# Altium PCB SupplyBox_v4.PcbDoc (part 2 of 2) (continued)
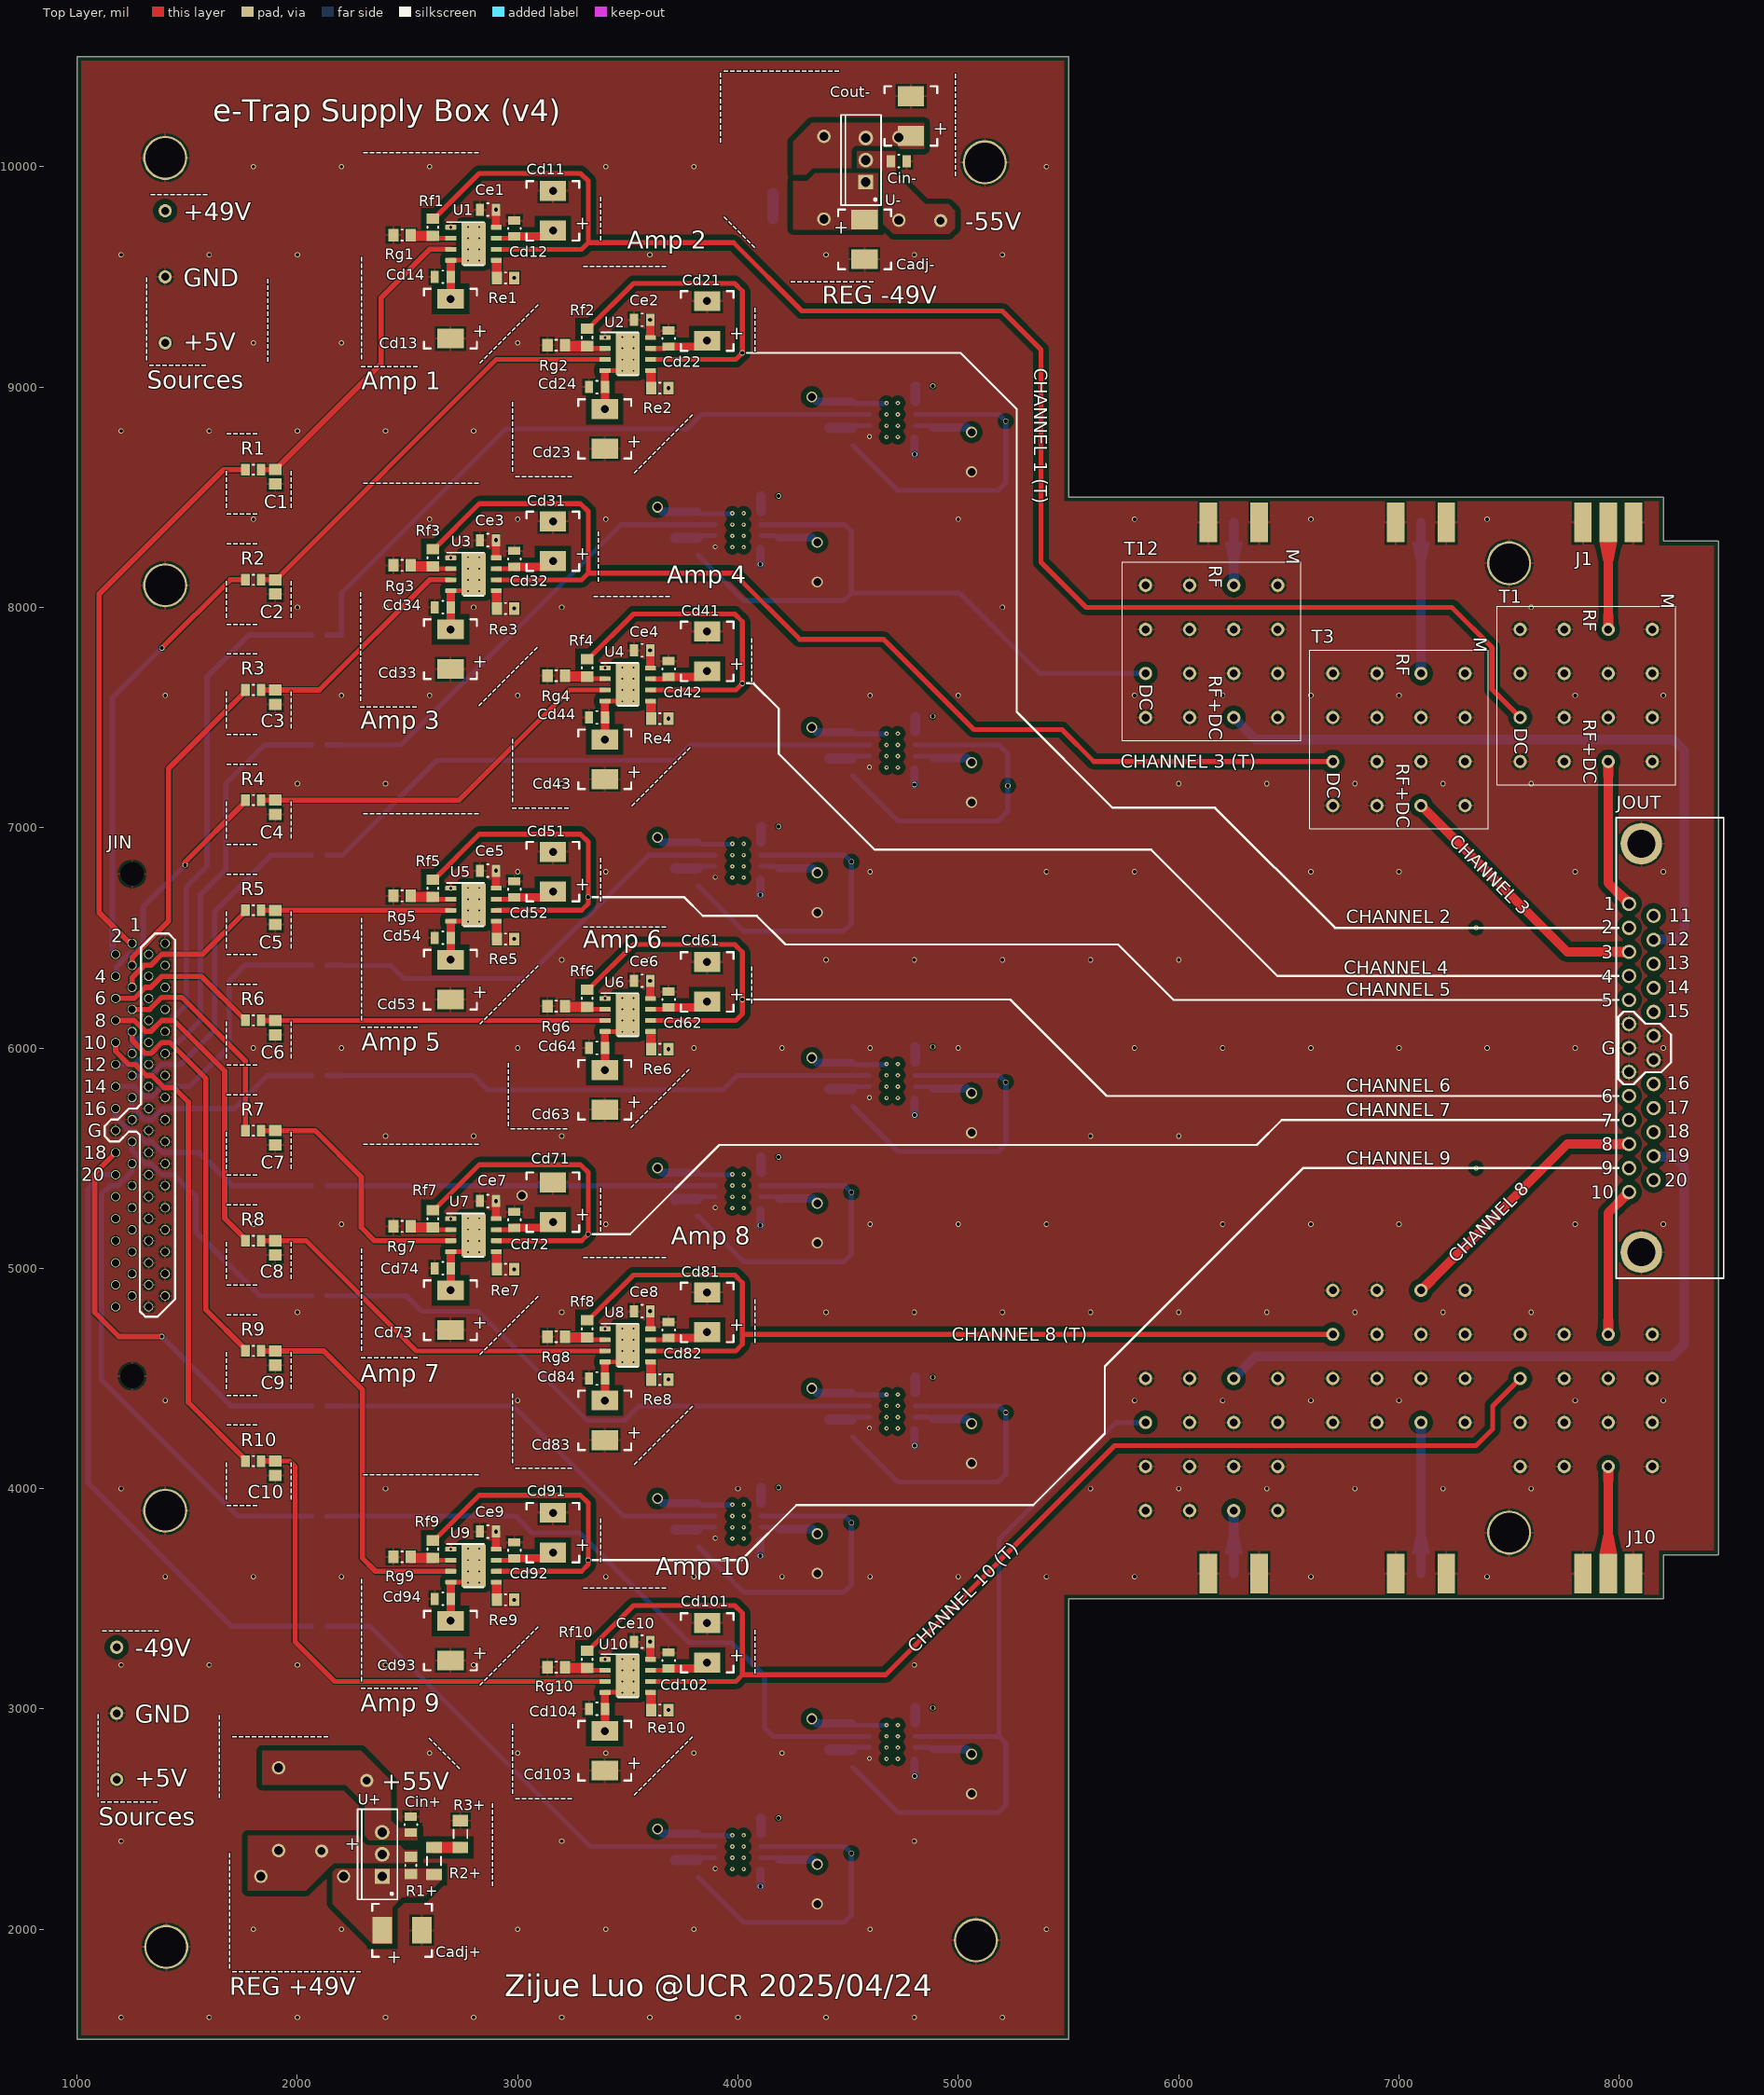
[diagram p0: Top Layer view]
## Nets (pads, with @x,y where several pads share a name; then routed paths per layer and width w, separated by ;. In a path a pad name is that pad's centre, name@x,y a point inside that pad or via, vN(x,y) a via of type N, cw(c..) or ccw(c..) an arc to the next point about the centre after c; other vN are vias at no path point) (continued)
  Top Layer w22: Rf1.1@2625.46,9675.17 U1.2@2696.48,9675.17
  Top Layer w47: Rg1.2@2514.49,9685.63 Rf1.1@2615,9685.63
NetRf2_1: Rf2.1 Rg2.2 U2.2 | length 171.5
  Top Layer w22: Rf2.1@3325.46,9175.17 U2.2@3396.48,9175.17
  Top Layer w47: Rg2.2@3214.49,9185.63 Rf2.1@3315,9185.63
NetRf3_1: Rf3.1 Rg3.2 U3.2 | length 171.5
  Top Layer w22: Rf3.1@2625.46,8175.17 U3.2@2696.48,8175.17
  Top Layer w47: Rg3.2@2514.49,8185.63 Rf3.1@2615,8185.63
NetRf4_1: Rf4.1 Rg4.2 U4.2 | length 171.5
  Top Layer w22: Rf4.1@3325.46,7675.17 U4.2@3396.48,7675.17
  Top Layer w47: Rg4.2@3214.49,7685.63 Rf4.1@3315,7685.63
NetRf5_1: Rf5.1 Rg5.2 U5.2 | length 191
  Top Layer w22: Rf5.1@2615,6685.63 2625.46,6675.17 2696.48,6675.17 U5.2@2696.65,6675
  Top Layer w47: Rg5.2@2514.37,6690 2514.37,6685.75 2514.49,6685.63 Rf5.1@2615,6685.63
NetRf6_1: Rf6.1 Rg6.2 U6.2 | length 171.5
  Top Layer w22: Rf6.1@3325.46,6175.17 U6.2@3396.48,6175.17
  Top Layer w47: Rg6.2@3214.49,6185.63 Rf6.1@3315,6185.63
NetRf7_1: Rf7.1 Rg7.2 U7.2 | length 171.5
  Top Layer w22: Rf7.1@2625.46,5175.17 U7.2@2696.48,5175.17
  Top Layer w47: Rg7.2@2514.49,5185.63 Rf7.1@2615,5185.63
NetRf8_1: Rf8.1 Rg8.2 U8.2 | length 171.5
  Top Layer w22: Rf8.1@3325.46,4675.17 U8.2@3396.48,4675.17
  Top Layer w47: Rg8.2@3214.49,4685.63 Rf8.1@3315,4685.63
NetRf9_1: Rf9.1 Rg9.2 U9.2 | length 171.5
  Top Layer w22: Rf9.1@2625.46,3675.17 U9.2@2696.48,3675.17
  Top Layer w47: Rg9.2@2514.49,3685.63 Rf9.1@2615,3685.63
NetRf10_1: Rf10.1 Rg10.2 U10.2 | length 171.5
  Top Layer w22: Rf10.1@3325.46,3175.17 U10.2@3396.48,3175.17
  Top Layer w47: Rg10.2@3214.49,3185.63 Rf10.1@3315,3185.63
NetRf11_1: Rf11.1 Rg11.2 U11.2 | length 171.5
  Bottom Layer w22: Rf11.1@4525.46,8824.83 U11.2@4596.48,8824.83
  Bottom Layer w47: Rg11.2@4414.49,8814.37 Rf11.1@4515,8814.37
NetRf12_1: Rf12.1 Rg12.2 U12.2 | length 171.5
  Bottom Layer w22: Rf12.1@3825.46,8324.83 U12.2@3896.48,8324.83
  Bottom Layer w47: Rg12.2@3714.49,8314.37 Rf12.1@3815,8314.37
NetRf13_1: Rf13.1 Rg13.2 U13.2 | length 171.5
  Bottom Layer w22: Rf13.1@4525.46,7324.83 U13.2@4596.48,7324.83
  Bottom Layer w47: Rg13.2@4414.49,7314.37 Rf13.1@4515,7314.37
NetRf14_1: Rf14.1 Rg14.2 U14.2 | length 171.5
  Bottom Layer w22: Rf14.1@3825.46,6824.83 U14.2@3896.48,6824.83
  Bottom Layer w47: Rg14.2@3714.49,6814.37 Rf14.1@3815,6814.37
NetRf15_1: Rf15.1 Rg15.2 U15.2 | length 171.5
  Bottom Layer w22: Rf15.1@4525.46,5824.83 U15.2@4596.48,5824.83
  Bottom Layer w47: Rg15.2@4414.49,5814.37 Rf15.1@4515,5814.37
NetRf16_1: Rf16.1 Rg16.2 U16.2 | length 191
  Bottom Layer w22: Rf16.1@3815,5314.37 3825.46,5324.83 3896.48,5324.83 U16.2@3896.65,5325
  Bottom Layer w47: Rg16.2@3714.37,5310 3714.37,5314.25 3714.49,5314.37 Rf16.1@3815,5314.37
NetRf17_1: Rf17.1 Rg17.2 U17.2 | length 171.5
  Bottom Layer w22: Rf17.1@4525.46,4324.83 U17.2@4596.48,4324.83
  Bottom Layer w47: Rg17.2@4414.49,4314.37 Rf17.1@4515,4314.37
NetRf18_1: Rf18.1 Rg18.2 U18.2 | length 171.5
  Bottom Layer w22: Rf18.1@3825.46,3824.83 U18.2@3896.48,3824.83
  Bottom Layer w47: Rg18.2@3714.49,3814.37 Rf18.1@3815,3814.37
NetRf19_1: Rf19.1 Rg19.2 U19.2 | length 171.5
  Bottom Layer w22: Rf19.1@4525.46,2824.83 U19.2@4596.48,2824.83
  Bottom Layer w47: Rg19.2@4414.49,2814.37 Rf19.1@4515,2814.37
NetRf20_1: Rf20.1 Rg20.2 U20.2 | length 171.5
  Bottom Layer w22: Rf20.1@3825.46,2324.83 U20.2@3896.48,2324.83
  Bottom Layer w47: Rg20.2@3714.49,2314.37 Rf20.1@3815,2314.37
pads on no net: JIN.23 JIN.24 JIN.25 JIN.26 JIN.27 JIN.28 JIN.29 JIN.30 JIN.31 JIN.32 JIN.33 JIN.34 U1.9@2800,9650 U2.9@3500,9150 U3.9@2800,8150 U4.9@3500,7650 U5.9@2800,6650 U6.9@3500,6150 U7.9@2800,5150 U8.9@3500,4650 U9.9@2800,3650 U10.9@3500,3150 U11.9@4700,8850 U12.9@4000,8350 U13.9@4700,7350 U14.9@4000,6850 U15.9@4700,5850 U16.9@4000,5350 U17.9@4700,4350 U18.9@4000,3850 U19.9@4700,2850 U20.9@4000,2350

## Polygon pours and split planes (outlines as drawn)
+5V on +5V "+5V_L03_P000" (solid, pour order 0): 1020,10480 1020,1520 5480,1520 5480,10480
GND on +5V "GND_L03_P002" (solid, pour order 2): 5520,8480 5520,3520 8180,3520 8180,3720 8430,3720 8430,8280 8180,8280 8180,8480
GND on Top Layer "GND_L01_P022" (solid, pour order 22): 1020,10480 5480,10480 5480,8480 8180,8480 8180,8280 8430,8280 8430,3720 8180,3720 8180,3520 5480,3520 5480,1520 1020,1520
+60V on Top Layer "+60V_L01_P011" (solid, pour order 11): 1840,2655 1840,2810 2290,2810 2425,2675 2425,2495 2460,2460 2545,2460 2545,2405 2325,2405 2305,2425 2305,2570 2220,2655
-50V on Top Layer "-50V_L01_P021" (solid, pour order 21): 4250,9965 4250,10115 4335,10200 4845,10200 4845,10080 4525,10080 4525,9985 4330,9985 4310,9965
NetCadj-_1 on Top Layer "NETCADJ-_1_L01_P017" (solid, pour order 17): 4635,9970 4635,9715 4250,9715 4250,9935 4315,9935 4350,9970
-60V on Top Layer "-60V_L01_P018" (solid, pour order 18): 4540,10070 4715,10070 4715,9965 4850,9830 4955,9830 4985,9800 4985,9720 4960,9695 4705,9695 4649.96,9750.04 4649.96,9974.96 4634.93,9990 4540,9990
+50V on Top Layer "+50V_L01_P013" (solid, pour order 13): 1775,2175 1775,2425 2425,2425 2485,2360 2545,2360 2545,2285 2150,2285 2040,2175
NetCadj+_1 on Top Layer "NETCADJ+_1_L01_P012" (solid, pour order 12): 2175,2275 2655,2275 2655,2225 2575,2145 2475,2145 2430,2100 2430,1935 2340,1935 2160,2115 2160,2260
GND on Bottom Layer "GND_L06_P019" (solid, pour order 19): 1020,10480 5480,10480 5480,8480 8180,8480 8180,8280 8430,8280 8430,3720 8180,3720 8180,3520 5480,3520 5480,1520 1020,1520
+60V on Bottom Layer "+60V_L06_P003" (solid, pour order 3): 1840,2655 1840,2810 2290,2810 2425,2675 2425,2495 2460,2460 2545,2460 2545,2405 2325,2405 2305,2425 2305,2570 2220,2655
NetCadj-_1 on Bottom Layer "NETCADJ-_1_L06_P010" (solid, pour order 10): 4635,9970 4635,9715 4250,9715 4250,9935 4315,9935 4350,9970
-60V on Bottom Layer "-60V_L06_P014" (solid, pour order 14): 4540,10070 4715,10070 4715,9965 4850,9830 4955,9830 4985,9800 4985,9720 4960,9695 4705,9695 4647.46,9752.54 4647.46,9977.46 4634.93,9990 4540,9990
-50V on Bottom Layer "-50V_L06_P015" (solid, pour order 15): 4250,9965 4250,10115 4335,10200 4845,10200 4845,10080 4525,10080 4525,9985 4330,9985 4310,9965
+50V on Bottom Layer "+50V_L06_P009" (solid, pour order 9): 1775,2175 1775,2425 2425,2425 2485,2360 2545,2360 2545,2285 2150,2285 2040,2175
NetCadj+_1 on Bottom Layer "NETCADJ+_1_L06_P006" (solid, pour order 6): 2175,2275 2655,2275 2655,2225 2575,2145 2475,2145 2430,2100 2430,1935 2340,1935 2160,2115 2160,2260
GND on Internal "GND_L04_P005" (solid, pour order 5): 1020,10480 5480,10480 5480,8480 8180,8480 8180,8280 8430,8280 8430,3720 8180,3720 8180,3520 5480,3520 5480,1520 1020,1520
-50V on -50V (split plane): 217 vertices, not listed, extent 1020.1,1520.1 8429.9,10479.9
+50V on +50V (split plane): 5479.9,8500 5480.29,8496.08 5481.43,8492.31 5483.29,8488.83 5485.79,8485.79 5488.83,8483.29 5492.31,8481.43 5496.08,8480.29 5500,8479.9 7829.91,8479.9 7829.91,7900 7830.28,7890.58 7831.39,7881.21 7833.23,7871.96 7835.79,7862.89 7839.05,7854.04 7843,7845.48 7847.6,7837.25 7852.84,7829.41 7858.68,7822.01 7865.08,7815.08 7872.01,7808.68 7879.41,7802.84 7887.25,7797.6 7895.48,7793 7904.04,7789.05 7912.89,7785.79 7921.96,7783.23 7931.21,7781.39 7940.58,7780.28 7950,7779.91 7959.42,7780.28 7968.79,7781.39 7978.04,7783.23 7987.11,7785.79 7995.96,7789.05 8004.52,7793 8012.75,7797.6 8020.59,7802.84 8027.99,7808.68 8034.92,7815.08 8041.32,7822.01 8047.16,7829.41 8052.4,7837.25 8057,7845.48 8060.95,7854.04 8064.21,7862.89 8066.77,7871.96 8068.61,7881.21 8069.72,7890.58 8070.09,7900 8070.09,8479.9 8179.9,8479.9 8179.9,8300 8180.29,8296.08 8181.43,8292.31 8183.29,8288.83 8185.79,8285.79 8188.83,8283.29 8192.31,8281.43 8196.08,8280.29 8200,8279.9 8429.9,8279.9 8429.9,3720.1 8200,3720.1 8196.08,3719.71 8192.31,3718.57 8188.83,3716.71 8185.79,3714.21 8183.29,3711.17 8181.43,3707.69 8180.29,3703.92 8179.9,3700 8179.9,3520.1 8070.09,3520.1 8070.09,4100 8069.72,4109.42 8068.61,4118.79 8066.77,4128.04 8064.21,4137.11 8060.95,4145.96 8057,4154.52 8052.4,4162.75 8047.16,4170.59 8041.32,4177.99 8034.92,4184.92 8027.99,4191.32 8020.59,4197.16 8012.75,4202.4 8004.52,4207 7995.96,4210.95 7987.11,4214.21 7978.04,4216.77 7968.79,4218.61 7959.42,4219.72 7950,4220.09 7940.58,4219.72 7931.21,4218.61 7921.96,4216.77 7912.89,4214.21 7904.04,4210.95 7895.48,4207 7887.25,4202.4 7879.41,4197.16 7872.01,4191.32 7865.08,4184.92 7858.68,4177.99 7852.84,4170.59 7847.6,4162.75 7843,4154.52 7839.05,4145.96 7835.79,4137.11 7833.23,4128.04 7831.39,4118.79 7830.28,4109.42 7829.91,4100 7829.91,3520.1 5500,3520.1 5496.08,3519.71 5492.31,3518.57 5488.83,3516.71 5485.79,3514.21 5483.29,3511.17 5481.43,3507.69 5480.29,3503.92 5479.9,3500 5479.9,1520.1 1020.1,1520.1 1020.1,10479.9 5479.9,10479.9

## Other copper
+50V (plane layer: these items are gaps in the copper):
  lines w240: 7100,4900 7763.78,5563.78 8044.17,5563.78 ; 7100,7100 7763.78,6436.22 8044.17,6436.22 ; 7950,3500 7950,4100 ; 7950,4700 7950,5251.5 8044.17,5345.67 ; 7950,7300 7950,6748.5 8044.17,6654.33 ; 7950,7900 7950,8500
-50V (plane layer: these items are gaps in the copper):
  lines w240: 6249.96,3499.96 6249.96,3899.96 ; 6250,4500 6350,4600 8240,4600 8295,4655 8295,5460 8245.75,5509.25 8155.98,5509.25 ; 6250,7500 6350,7400 8240,7400 8295,7345 8295,6540 8200.87,6445.87 8155.98,6490.75 ; 6250,8100 6250,8500 ; 7100,3500 7100,4300 ; 7100,7700 7100,8500

## Silkscreen, mask and mechanical layers (free items; w line width, h text height)
Top Overlay:
  lines w10: 3340,3675 4015,3675 4265,3925 5340,3925 5655,4240 5665,4250 5665,4255 5665,4555 6564.72,5454.72 7995,5454.72 ; 3340,5155 3510,5155 3915,5560 6355,5560 6467.83,5672.83 7995,5672.83 ; 3340,6685 3755,6685 3840,6600 4085,6600 4215,6470 5725,6470 5976.89,6218.11 7995,6218.11 ; 4040,6220 5235.11,6220 5673.22,5781.89 7995,5781.89 ; 4040,7655 4070,7655 4185,7540 4185,7335 4620,6900 5875,6900 6447.83,6327.17 7995,6327.17 ; 4040,9155 5010,9155 5265,8900 5265,8045 5265,7525 5700,7090 6165,7090 6709.72,6545.28 7995,6545.28 ; 1125,5600 1125,5645 1155,5675 1185,5675 1235,5725 1270,5725 1290,5745 1290,6455 1355,6520 1415,6520 1445,6490 1445,4860 1365,4780 1310,4780 1285,4805 1285,5605 1270,5620 1235,5620 1190,5575 1150,5575 1125,5600 ; 7995,5860 8020,5835 8065,5835 8120,5890 8190,5890 8235,5935 8235,6060 8185,6110 8120,6110 8065,6165 8020,6165 7995,6140 7995,5860
  text "-----------" at 3900.01,10430 h60 r270
  text "----------------" at 4965.01,10425 h60 r270
  text "------------------" at 3930,10410.01 h60
  text "e-Trap Supply Box (v4)" at 1616,10204.32 h100
  text "+" at 4885,10145 h60
  text "------------------" at 2295,10040.01 h60
  text "---------" at 1330,9850.01 h60
  text "-------" at 3917.94,9758.79 h60 r315
  text "+49V" at 1482,9757 h80
  text "+" at 3260,9715 h60
  text "-55V" at 5032,9712 h80
  text "+" at 4435,9695 h60
  text "-------" at 3399.99,9660 h60 r90
  text "Amp 2" at 3497,9628.66 h80
  text "-------------" at 3295,9525.01 h60
  text "GND" at 1482,9457 h80
  text "-------------" at 4235,9455.01 h60
  text "REG -49V" at 4382,9377 h80
  text "+" at 2795,9225 h60
  text "+" at 3960,9215 h60
  text "+5V" at 1482,9167 h80
  text "-------" at 4099.99,9155 h60 r90
  text "----------------" at 2314.99,9120 h60 r90
  text "-------------" at 1339.99,9115 h60 r90
  text "-------------" at 1889.99,9110 h60 r90
  text "-------------" at 2841.21,9087.94 h60 r45
  text "CHANNEL 1 (T)" at 5345,9085 h60 r270
  text "---------" at 1325,9075.01 h60
  text "---------" at 2285,9070.01 h60
  text "Sources" at 1317,8992 h80
  text "Amp 1" at 2292,8988.66 h80
  text "-----" at 1675,8765.01 h60
  text "+" at 3495,8725 h60
  text "-----------" at 2999.99,8610 h60 r90
  text "-------------" at 3541.21,8587.94 h60 r45
  text "---------" at 2985,8570.01 h60
  text "------------------" at 2295,8540.01 h60
  text "------" at 1699.99,8445 h60 r90
  text "------" at 1994.99,8445 h60 r90
  text "-----" at 1675,8400.01 h60
  text "-----" at 1675,8265.01 h60
  text "M" at 6490,8265 h60 r270
  text "+" at 3260,8215 h60
  text "--------" at 3389.99,8110 h60 r90
  text "Amp 4" at 3677,8108.66 h80
  text "M" at 8190,8065 h60 r270
  text "------------" at 3340,8025.01 h60
  text "------" at 1699.99,7945 h60 r90
  text "------" at 1994.99,7945 h60 r90
  text "-----" at 1675,7900.01 h60
  text "M" at 7340,7865 h60 r270
  text "-----" at 1675,7765.01 h60
  text "+" at 2795,7725 h60
  text "+" at 3960,7715 h60
  text "-------" at 4084.99,7655 h60 r90
  text "-----------------" at 2309.99,7570 h60 r90
  text "-------------" at 2836.21,7532.94 h60 r45
  text "---------" at 2280,7525.01 h60
  text "Amp 3" at 2287,7448.66 h80
  text "------" at 1699.99,7445 h60 r90
  text "------" at 1994.99,7445 h60 r90
  text "-----" at 1675,7400.01 h60
  text "CHANNEL 3 (T)" at 5735,7270 h60
  text "-----" at 1675,7265.01 h60
  text "+" at 3495,7225 h60
  text "----------" at 2999.99,7110 h60 r90
  text "-------------" at 3531.21,7077.94 h60 r45
  text "---------" at 2970,7065.01 h60
  text "------------------" at 2295,7040.01 h60
  text "------" at 1699.99,6945 h60 r90
  text "------" at 1994.99,6945 h60 r90
  text "CHANNEL 3" at 7224.14,6935 h60 r315
  text "-----" at 1675,6900.01 h60
  text "-----" at 1675,6765.01 h60
  text "+" at 3260,6715 h60
  text "-------" at 3399.99,6660 h60 r90
  text "1" at 7930,6625 h60
  text "11" at 8225,6572 h60
  text "CHANNEL 2" at 6760,6565 h60
  text "1" at 1240,6530 h60
  text "-------------" at 3295,6525.01 h60
  text "2" at 7920,6520 h60
  text "2" at 1155,6480 h60
  text "12" at 8215,6465 h60
  text "Amp 6" at 3297,6453.66 h80
  text "------" at 1699.99,6445 h60 r90
  text "------" at 1994.99,6445 h60 r90
  text "3" at 7920,6405 h60
  text "-----" at 1675,6400.01 h60
  text "13" at 8215,6355.94 h60
  text "CHANNEL 4" at 6750,6335 h60
  text "4" at 7920,6295.94 h60
  text "4" at 1080,6295 h60
  text "-----" at 1675,6265.01 h60
  text "14" at 8215,6246.89 h60
  text "CHANNEL 5" at 6760,6235 h60
  text "+" at 2795,6225 h60
  text "+" at 3960,6215 h60
  text "6" at 1080,6195 h60
  text "------" at 4084.99,6195 h60 r90
  text "5" at 7920,6186.89 h60
  text "15" at 8215,6137.83 h60
  text "----------------" at 2314.99,6120 h60 r90
  text "8" at 1080,6095 h60
  text "-------------" at 2841.21,6087.94 h60 r45
  text "---------" at 2285,6070.01 h60
  text "10" at 1030,5995 h60
  text "Amp 5" at 2292,5988.66 h80
  text "G" at 7920,5968.78 h60
  text "------" at 1699.99,5945 h60 r90
  text "------" at 1994.99,5945 h60 r90
  text "-----" at 1675,5900.01 h60
  text "12" at 1030,5895 h60
  text "16" at 8215,5810.67 h60
  text "CHANNEL 6" at 6760,5800 h60
  text "14" at 1030,5795 h60
  text "-----" at 1675,5765.01 h60
  text "6" at 7920,5750.67 h60
  text "+" at 3495,5725 h60
  text "17" at 8215,5701.61 h60
  text "16" at 1030,5695 h60
  text "CHANNEL 7" at 6760,5690 h60
  text "7" at 7920,5641.61 h60
  text "----------" at 2979.99,5640 h60 r90
  text "-------------" at 3526.21,5617.94 h60 r45
  text "---------" at 2965,5610.01 h60
  text "G" at 1050,5595 h60
  text "18" at 8215,5592.56 h60
  text "------------------" at 2295,5540.01 h60
  text "8" at 7920,5532.56 h60
  text "18" at 1030,5495 h60
  text "19" at 8215,5483.5 h60
  text "CHANNEL 9" at 6760,5470 h60
  text "------" at 1699.99,5445 h60 r90
  text "------" at 1994.99,5445 h60 r90
  text "9" at 7920,5425 h60
  text "-----" at 1675,5400.01 h60
  text "20" at 1020,5395 h60
  text "20" at 8205,5370 h60
  text "10" at 7870,5315 h60
  text "-----" at 1675,5265.01 h60
  text "+" at 3260,5215 h60
  text "-------" at 3399.99,5160 h60 r90
  text "Amp 8" at 3697,5108.66 h80
  text "-------------" at 3295,5025.01 h60
  text "CHANNEL 8" at 7260,5019.14 h60 r45
  text "------" at 1699.99,4945 h60 r90
  text "------" at 1994.99,4945 h60 r90
  text "-----" at 1675,4900.01 h60
  text "-----" at 1675,4765.01 h60
  text "+" at 2795,4725 h60
  text "+" at 3960,4715 h60
  text "CHANNEL 8 (T)" at 4970,4670 h60
  text "-------" at 4099.99,4655 h60 r90
  text "----------------" at 2314.99,4620 h60 r90
  text "-------------" at 2841.21,4587.94 h60 r45
  text "---------" at 2285,4570.01 h60
  text "Amp 7" at 2287,4483.66 h80
  text "------" at 1699.99,4445 h60 r90
  text "------" at 1994.99,4445 h60 r90
  text "-----" at 1675,4400.01 h60
  text "-----" at 1675,4265.01 h60
  text "+" at 3495,4225 h60
  text "-----------" at 2999.99,4110 h60 r90
  text "-------------" at 3541.21,4087.94 h60 r45
  text "---------" at 2985,4070.01 h60
  text "------------------" at 2295,4040.01 h60
  text "------" at 1699.99,3945 h60 r90
  text "------" at 1994.99,3945 h60 r90
  text "-----" at 1675,3900.01 h60
  text "+" at 3260,3715 h60
  text "-------" at 3399.99,3660 h60 r90
  text "Amp 10" at 3627,3608.66 h80
  text "-------------" at 3295,3525.01 h60
  text "---------" at 1110,3330.01 h60
  text "CHANNEL 10 (T)" at 4805,3249.14 h60 r45
  text "-49V" at 1262,3237 h80
  text "+" at 2795,3225 h60
  text "+" at 3960,3215 h60
  text "-------" at 4099.99,3155 h60 r90
  text "----------------" at 2314.99,3120 h60 r90
  text "-------------" at 2841.21,3087.94 h60 r45
  text "---------" at 2285,3070.01 h60
  text "Amp 9" at 2287,2988.66 h80
  text "GND" at 1262,2937 h80
  text "-------" at 2577.94,2853.79 h60 r315
  text "---------------" at 1700,2850.01 h60
  text "+" at 3495,2725 h60
  text "+5V" at 1262,2647 h80
  text "+55V" at 2382,2632 h80
  text "-----------" at 2999.99,2610 h60 r90
  text "-------------" at 1119.99,2595 h60 r90
  text "-------------" at 1669.99,2590 h60 r90
  text "-------------" at 3541.21,2587.94 h60 r45
  text "-------------" at 2865.01,2575 h60 r270
  text "---------" at 2985,2570.01 h60
  text "---------" at 1105,2555.01 h60
  text "Sources" at 1097,2472 h80
  text "+" at 2215,2360 h60
  text "+" at 2405,1845 h60
  text "------------------" at 1714.99,1815 h60 r90
  text "--------------------" at 1700,1785.01 h60
  text "REG +49V" at 1692,1702 h80
  text "Zijue Luo @UCR 2025/04/24" at 2941,1694.32 h100
Bottom Overlay:
  lines w10: 4540,2345 5145,2345 5370,2570 5370,3670 5555,3855 5555,4615 6340.2,5400.2 8104.8,5400.2 ; 4540,6845 4980,6845 5552.36,6272.64 8107.36,6272.64 ; 4545,3845 5145,3845 5415,4115 5415,4850 6183.31,5618.31 8106.69,5618.31 ; 4545,5345 5175,5345 5666.42,5836.42 8108.58,5836.42 ; 5235,5865 5533.58,6163.58 8108.58,6163.58 ; 5235,8845 5270,8845 5315,8800 5315,7670 6385.2,6599.8 8105,6599.8 ; 5237.5,4367.5 5280,4410 5280,5120 5887.36,5727.36 8107.64,5727.36 ; 5250,7190 5460,7190 6268.31,6381.69 8106.69,6381.69 ; 8020,5835 7995,5860 7995,6140 8020,6165 ; 8065,5835 8120,5890 8190,5890 8235,5935 8235,6060 8185,6110 8120,6110 8065,6165 ; 1125,5600 1125,5645 1155,5675 1185,5675 1235,5725 1270,5725 1290,5745 1290,6455 1355,6520 1415,6520 1445,6490 1445,4860 1365,4780 1310,4780 1285,4805 1285,5605 1270,5620 1265,5620 1235,5620 1190,5575 1150,5575 1125,5600
  text "-----------" at 3959.99,10430 h60 r90
  text "----------------" at 5024.99,10425 h60 r90
  text "------------------" at 4990,10410.01 h60
  text "---------" at 1850,9850.01 h60
  text "-------" at 3961.21,9802.06 h60 r135
  text "+49V" at 1773,9752 h80
  text "-55V" at 5323,9712 h80
  text "GND" at 1693,9457 h80
  text "-------------" at 4995,9455.01 h60
  text "REG -49V" at 4993,9377 h80
  text "--------" at 4991.21,9317.06 h60 r135
  text "--------" at 4104.99,9290 h60 r90
  text "---------------" at 4960,9280.01 h60
  text "Amp 11" at 4948,9183.66 h80
  text "+5V" at 1698,9167 h80
  text "-------------" at 1280.01,9110 h60 r270
  text "-------------" at 1830.01,9110 h60 r270
  text "---------" at 1845,9075.01 h60
  text "+" at 4235,9070 h60
  text "Sources" at 1850.16,8992 h80
  text "--------" at 5324.99,8950 h60 r90
  text "Amp 12" at 3813,8838.66 h80
  text "--------" at 4096.21,8832.06 h60 r135
  text "--------------" at 3389.99,8780 h60 r90
  text "------------" at 4075,8755.01 h60
  text "+" at 4960,8730 h60
  text "+" at 3535,8570 h60
  text "---------" at 4584.99,8460 h60 r90
  text "---------------" at 5289.75,8445.01 h60
  text "+" at 4260,8230 h60
  text "CHANNEL 12 (T)" at 5300,8035 h60
  text "-----" at 2245,8020.01 h60
  text "--------------------" at 4540,7915.01 h60
  text "Amp 13" at 5158,7883.66 h80
  text "--" at 5201.21,7842.06 h60 r135
  text "-" at 4112.06,7808.79 h60 r45
  text "------------------" at 5165,7800.01 h60
  text "--------" at 4094.99,7785 h60 r90
  text "-------------" at 5289.99,7735 h60 r90
  text "------" at 1925.01,7700 h60 r270
  text "------" at 2220.01,7700 h60 r270
  text "-----" at 2245,7655.01 h60
  text "+" at 4235,7570 h60
  text "-----" at 2245,7520.01 h60
  text "Amp 14" at 3813,7338.66 h80
  text "--------" at 4096.21,7332.06 h60 r135
  text "--------------" at 3389.99,7280 h60 r90
  text "------------" at 4075,7255.01 h60
  text "+" at 4960,7230 h60
  text "------" at 1930.01,7195 h60 r270
  text "------" at 2220.01,7195 h60 r270
  text "-----" at 2245,7145.01 h60
  text "+" at 3535,7070 h60
  text "-----" at 2245,7020.01 h60
  text "---------" at 4584.99,6960 h60 r90
  text "--------------" at 5240,6945.01 h60
  text "+" at 4260,6730 h60
  text "------" at 1925.01,6700 h60 r270
  text "------" at 2220.01,6700 h60 r270
  text "CHANNEL 12" at 8265,6670 h60 r270
  text "-----" at 2245,6655.01 h60
  text "1" at 7950,6625 h60
  text "11" at 8295,6575 h60
  text "1" at 1260,6530 h60
  text "CHANNEL 11" at 6740,6525 h60
  text "-----" at 2245,6520.01 h60
  text "2" at 7960,6520 h60
  text "2" at 1195,6480 h60
  text "12" at 8305,6465 h60
  text "--------------------" at 4540,6415.01 h60
  text "3" at 7960,6405 h60
  text "13" at 8305,6355 h60
  text "--------" at 4991.21,6317.06 h60 r135
  text "CHANNEL 13" at 6740,6305 h60
  text "4" at 1120,6295 h60
  text "4" at 7960,6295 h60
  text "--------" at 4104.99,6290 h60 r90
  text "---------------" at 4960,6280.01 h60
  text "14" at 8305,6245 h60
  text "------" at 1925.01,6200 h60 r270
  text "------" at 2220.01,6200 h60 r270
  text "6" at 1120,6195 h60
  text "CHANNEL 14" at 6740,6195 h60
  text "Amp 15" at 4963,6188.66 h80
  text "5" at 7960,6185 h60
  text "-----" at 2245,6155.01 h60
  text "15" at 8305,6140 h60
  text "8" at 1120,6095 h60
  text "CHANNEL 15" at 6740,6085 h60
  text "+" at 4235,6070 h60
  text "-----" at 2245,6020.01 h60
  text "10" at 1110,5995 h60
  text "G" at 7959.99,5968.78 h60
  text "--------" at 5324.99,5950 h60 r90
  text "12" at 1110,5895 h60
  text "CHANNEL 16" at 6745,5860 h60
  text "Amp 16" at 3813,5843.66 h80
  text "--------" at 4096.21,5832.06 h60 r135
  text "16" at 8305,5810 h60
  text "14" at 1110,5795 h60
  text "--------------" at 3389.99,5780 h60 r90
  text "------------" at 4075,5755.01 h60
  text "CHANNEL 17" at 6745,5750 h60
  text "6" at 7960,5750 h60
  text "+" at 4960,5730 h60
  text "------" at 1925.01,5700 h60 r270
  text "------" at 2220.01,5700 h60 r270
  text "17" at 8305,5700 h60
  text "16" at 1110,5695 h60
  text "-----" at 2245,5655.01 h60
  text "CHANNEL 18" at 6745,5640 h60
  text "7" at 7960,5640 h60
  text "G" at 1090,5595 h60
  text "18" at 8305,5595 h60
  text "+" at 3535,5570 h60
  text "8" at 7960,5530 h60
  text "-----" at 2245,5520.01 h60
  text "18" at 1110,5495 h60
  text "19" at 8305,5485 h60
  text "---------" at 4584.99,5460 h60 r90
  text "---------------" at 5289.75,5445.01 h60
  text "CHANNEL 20" at 6745,5425 h60
  text "9" at 7960,5425 h60
  text "20" at 1120,5395 h60
  text "20" at 8305,5370 h60
  text "10" at 7960,5315 h60
  text "+" at 4260,5230 h60
  text "------" at 1930.01,5195 h60 r270
  text "------" at 2225.01,5195 h60 r270
  text "-----" at 2245,5150.01 h60
  text "-----" at 2245,5020.01 h60
  text "--------------------" at 4540,4915.01 h60
  text "--------" at 4991.21,4852.06 h60 r135
  text "---------" at 4089.99,4840 h60 r90
  text "---------------" at 4955,4810.01 h60
  text "CHANNEL 19" at 8265,4765 h60 r270
  text "------" at 1925.01,4700 h60 r270
  text "------" at 2220.01,4700 h60 r270
  text "Amp 17" at 4988,4678.66 h80
  text "-----" at 2245,4655.01 h60
  text "+" at 4235,4570 h60
  text "-----" at 2245,4520.01 h60
  text "-------" at 5339.99,4495 h60 r90
  text "Amp 18" at 3813,4338.66 h80
  text "--------" at 4096.21,4332.06 h60 r135
  text "--------------" at 3389.99,4280 h60 r90
  text "------------" at 4075,4255.01 h60
  text "+" at 4960,4230 h60
  text "------" at 1925.01,4200 h60 r270
  text "------" at 2220.01,4200 h60 r270
  text "-----" at 2245,4155.01 h60
  text "M" at 7335,4135 h60 r270
  text "+" at 3535,4070 h60
  text "---" at 5327.06,4058.79 h60 r45
  text "-----" at 2245,4020.01 h60
  text "---------" at 4584.99,3960 h60 r90
  text "-------------" at 5175,3945.01 h60
  text "M" at 8185,3935 h60 r270
  text "M" at 6485,3735 h60 r270
  text "+" at 4260,3730 h60
  text "CHANNEL 19 (T)" at 5215,3730 h60 r90
  text "------" at 1925.01,3700 h60 r270
  text "------" at 2220.01,3700 h60 r270
  text "-----" at 2245,3655.01 h60
  text "-----" at 2245,3520.01 h60
  text "--------------------" at 4540,3415.01 h60
  text "Amp 19" at 5013,3353.66 h80
  text "--------" at 5001.21,3332.06 h60 r135
  text "---------" at 1630,3330.01 h60
  text "--------" at 4104.99,3290 h60 r90
  text "---------------" at 4960,3280.01 h60
  text "-49V" at 1553,3232 h80
  text "------" at 2220.01,3195 h60 r270
  text "------" at 1930.01,3190 h60 r270
  text "-----" at 2245,3145.01 h60
  text "+" at 4235,3070 h60
  text "-------" at 5349.99,2970 h60 r90
  text "GND" at 1473,2937 h80
  text "-------" at 2621.21,2897.06 h60 r135
  text "---------------" at 2580,2850.01 h60
  text "Amp 20" at 3803,2843.66 h80
  text "--------" at 4096.21,2832.06 h60 r135
  text "--------------" at 3364.99,2755 h60 r90
  text "-------------" at 4095,2740.01 h60
  text "+" at 4960,2730 h60
  text "+5V" at 1478,2647 h80
  text "+55V" at 2678,2632 h80
  text "-------------" at 1060.01,2590 h60 r270
  text "-------------" at 1610.01,2590 h60 r270
  text "-------------" at 2924.99,2575 h60 r90
  text "+" at 3535,2570 h60
  text "---------" at 1625,2555.01 h60
  text "--" at 5337.06,2533.79 h60 r45
  text "Sources" at 1630.16,2472 h80
  text "---------" at 4584.99,2460 h60 r90
  text "--------------" at 5230,2445.01 h60
  text "+" at 4260,2230 h60
  text "--------------------" at 4540,1900.01 h60
  text "------------------" at 1655.01,1815 h60 r270
  text "--------------------" at 2880,1785.01 h60
  text "REG +49V" at 2303,1702 h80

## Text inside footprints (layer, text, board x,y; h text height)
JOUT: Mechanical 2 "PCB Edge" at 8527.24,6015.75 h40 r90
T1: Top Overlay "RF+DC" at 7838,7492 h60 r270; Top Overlay "RF" at 7838,7992 h60 r270; Top Overlay "DC" at 7523,7452 h60 r270
T3: Top Overlay "RF+DC" at 6988,7292 h60 r270; Top Overlay "RF" at 6988,7792 h60 r270; Top Overlay "DC" at 6673,7252 h60 r270
T8: Bottom Overlay "RF+DC" at 6988,4708 h60 r270; Bottom Overlay "RF" at 6988,4208 h60 r270; Bottom Overlay "DC" at 6673,4748 h60 r270
T10: Bottom Overlay "RF+DC" at 7838,4508 h60 r270; Bottom Overlay "RF" at 7838,4008 h60 r270; Bottom Overlay "DC" at 7523,4548 h60 r270
T12: Top Overlay "RF+DC" at 6138,7692 h60 r270; Top Overlay "RF" at 6138,8192 h60 r270; Top Overlay "DC" at 5823,7652 h60 r270
T19: Bottom Overlay "RF+DC" at 6138,4308 h60 r270; Bottom Overlay "RF" at 6138,3808 h60 r270; Bottom Overlay "DC" at 5823,4348 h60 r270